# Altium PCB DC Battery Capacity Tester V1.2.PcbDoc (part 1 of 2) (continued)
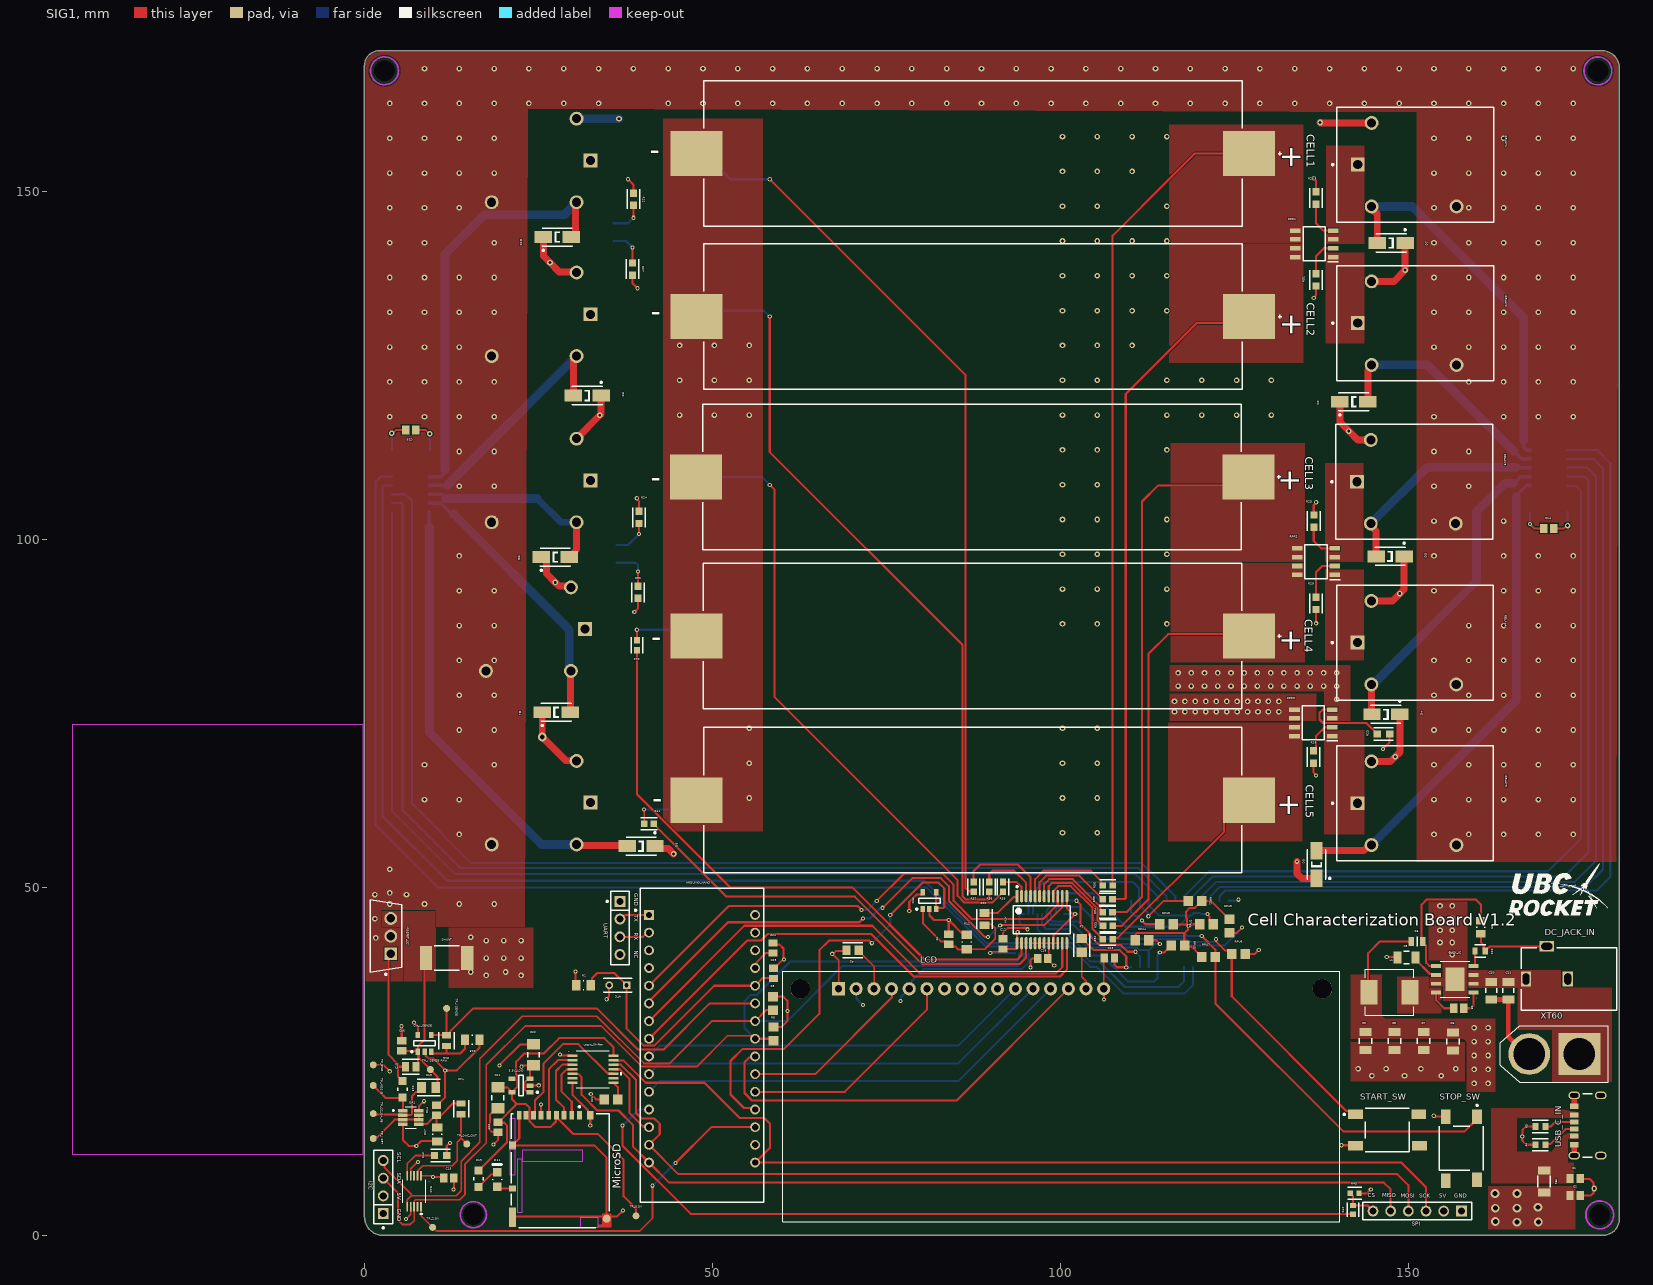
[diagram p0: SIG1 view]
## Part data (continued)
DAC: "True 12-bit, 1-ch, SPI/I2C, voltage-output DAC in WSON package with precision internal reference 10-VSSOP -40 to 125", Manufacturer_Name="Texas Instruments", Copyright="Copyright (C) 2025 Ultra Librarian. All rights reserved.", Manufacturer_Part_Number=DAC60501ZDGSR, RefDes=RefDes, Type=Type
DC_JACK_IN: library part CMP-2000-06901-1, "Through Hole Right Angle DC Power Jack, 5 A, 2.5 mm Center Pin, 3 Position, -25 to 85 degC, RoHS, Bulk", Current Rating=5A, Flammability Rating=UL94V-0, Insulation Resistance=100MOhms, Manufacturer=CUIInc., Operating Temperature Range=-25Cto+85C, Package Description="3-Pin Through Hole Device, Body 14.4 x 9 mm, Height 11 mm", Voltage Rating=24V, Brand=CUI, Connector Type=DCPowerJack, Contact Gender=Male, Contact Material=Copper, Contact Plating=Nickel, Datasheet URL=http://www.cui.com/product/resource/pj-102bh.pdf, Datasheet Version="Rev. 1.02, 05/2016", Factory Pack Quantity=280, Housing Material=PolybutyleneTerephthalate(PBT), Inside Contact Diameter=2.5mm, Manufacturer URL=http://www.cui.com/, Mounting Angle=Right, Mounting Style=ThroughHole, Mounting Technology=ThroughHole, Outside Contact Diameter=6.5mm, Package Reference=PJ-102BH, Product=Jacks, Product Category=DCPowerConnectors, RoHS=True, Termination Style=ThroughHole
FB1: library part CMP-0686-00732-3, "BLM31PG121SN1L Chip Ferrite Bead Array, 1206, 120Ω @ 100MHz, 0.02Ω, 25%, 3.5A", Case Code (Imperial)=1206, Case Code (Metric)=3216, Current Rating=3.5A, DC Current=3A, DC Resistance (DCR)=20mR, Frequency=100MHz, Max Operating Temperature=125°C, Min Operating Temperature=-55°C, Package Quantity=3000, Tolerance=25%, Case/Package=1206, Contact Plating=Tin, Core Material=Ferrite, Depth=1.6mm, Height=1.1mm, Impedance=120R, Lead Free="Lead Free", Length=3.2mm, Material=Steel, Max Current Rating=3.5A, Max DC Current=3A, Military Standard=Not, Number of Lines=1, Number of Pins=2, Packaging="Tape and Reel", Radiation Hardening=No, RoHS Compliant=Yes, Shielding=Unshielded, Termination=SMD/SMT, Test Frequency=100MHz, Width=1.6mm
I2C UART: library part CMP-02766-001388-1, "CONN HEADER VERT 4POS 2.54MM", Color=Black, Max Current Rating=7.6A, Max Operating Temperature=105°C, Max Voltage Rating (AC)=550V, Min Operating Temperature=-55°C, Package Quantity=1, Connector Type="Male Pin", Contact Material=Bronze, Contact Mating Length=0.23inch, Contact Plating=Tin, Contact Type="Male Pin", Depth=2.54mm, Gender=Male, Housing Color=Black, Housing Material=Polyester, Lead Free="Lead Free", Length=10.16mm, Mount="Through Hole", Number Of Contacts=4, Number of Positions=4, Number of Rows=1, Orientation=Straight, Packaging=Bulk, Pitch=2.54mm, Radiation Hardening=No, REACH SVHC="No SVHC", RoHS Compliant=Yes, Series=TSW, Termination=Solder, Width=2.54mm
I2C_EXPANDER: library part CMP-0314-00318-2, "Remote 16-Bit I2C and SMBus I/O Expander with Interrupt Output, 2.5 to 5.5 V, -40 to 85 degC, 24-pin TSSOP (PW), Green (RoHS & no Sb/Br)", Manufacturer="Texas Instruments", Max Frequency(kHz)=400, Voltage Nodes(V)="5.5, 3.6, 2.7, 2.5", # of I/Os=16, Code_JEDEC=MO-153, ComponentLink1Description=Datasheet, ComponentLink1URL=http://www.ti.com/general/docs/lit/getliterature.tsp?genericPartNumber=PCF8575&fileType=pdf, ComponentLink2Description="Package Specification", ComponentLink2URL=http://www.ti.com/litv/pdf/mpds177g, DatasheetVersion=SCPS121D, Eco-Plan="Green (RoHS & no Sb/Br)", fSCLK(Max)(MHz)=0.4, I2C Address="0100 xxx", Interrupt Output=Yes, Mounting Technology="Surface Mount", PackageDescription="24-Pin Thin Small Outline Package 0.65 mm Pitch", PackageReference=PW0024A, PackageVersion="revG, Feb-2011", PartNumber=PCF8575PWR, Push-Pull I/O Type=Yes, Reset Input=No, SubFamily="I2C IO Expander", Vcc range(V)="2.5 to 5.5", VCC(Max)(V)=5.5, VCC(Min)(V)=2.5
L1: library part CMP-006-00023-1, "6.8 ÂµH Shielded Molded Inductor 5 A 50mOhm Max Nonstandard", Case/Package=None, Availability="In Stock", Check_prices=https://www.snapeda.com/parts/MGAH06036R8M-10/Laird/view-part/?ref=eda, Component Type=Standard, Design Item ID=MGAH06036R8M-10, MF="Laird-Signal Integrity Products", MP=MGAH06036R8M-10, Pins=2, Price=None, Purchase-URL=https://pricing.snapeda.com/search/part/MGAH06036R8M-10/?ref=eda, SnapEDA_Link=https://www.snapeda.com/parts/MGAH06036R8M-10/Laird/view-part/?ref=snap, Source=MGAH06036R8M-10.SchLib
LCD: library part CMP-008-000000-1, "Display Development Tools 16x2 Black on Green Char LCD w Backlight", Package=None, Check_prices=https://www.snapeda.com/parts/LCD-16X2/Gravitech/view-part/?ref=eda, Component Type=Standard, Design Item ID=LCD-16X2, MF=Gravitech, MP=LCD-16X2, Pin Count=16, SnapEDA_Link=https://www.snapeda.com/parts/LCD-16X2/Gravitech/view-part/?ref=snap, Source=LCD-16X2.SchLib
LINE_DECODER: library part CMP-1633-00346-2, "CMOS 4-Bit Latch/4-to-16 Line Decoder with Output 'High' on Select, DW0024A, LARGE T&R", F @ Nom Voltage(Max)(Mhz)=8, Generic Part Number=CD4514B, ICC @ Nom Voltage(Max)(mA)=0.3, Manufacturer="Texas Instruments", Operating Temperature Range(C)="-55 to 125", Rating=Catalog, tpd @ Nom Voltage(Max)(ns)=370, Voltage(Nom)(V)=5,10,15, Bits(#)=16, Channels(#)=4, Code_JEDEC=MS-013, Configuration=4：16, DatasheetVersion=SCHS074A, Function=Decoder/Demultiplexer, Input Type=CMOS, Output Drive (IOL/IOH)(Max)(mA)=1.5/-1.5, Output Type=CMOS, PackageReference=DW0024A, Schmitt Trigger=No, Technology Family=CD4000, Type=Standard, VCC(Max)(V)=18, VCC(Min)(V)=3
Logic_Shifter: "Four-channel fixed multidirectional level shifter 14-TSSOP -40 to 125", Manufacturer_Name="Texas Instruments", Copyright="Copyright (C) 2025 Ultra Librarian. All rights reserved.", Manufacturer_Part_Number=TXU0304PWR, RefDes=RefDes, Type=Type
MicroSD: library part CMP-11597-000006-1, "CONN MICRO SD R/A PUSH-PUSH SMD", Color=Black, Contact Resistance=100mR, Current Rating=500mA, Flammability Rating="UL94 V-0", Insulation Resistance=1GR, Max Operating Temperature=85°C, Max Voltage Rating (AC)=125V, Min Operating Temperature=-25°C, Package Quantity=400, Connector Type=Connector, Contact Material="Copper Alloy", Contact Plating=Gold, Depth=15.95mm, Gender=Receptacle, Housing Material=Polymer, Lead Free="Lead Free", Length=13.85mm, Mating Cycles=10000, Max Current Rating=500mA, Mount="Surface Mount", Number Of Contacts=8, Number of Rows=2, Orientation="Right Angle", Packaging="Tape and Reel", Pitch=1.1mm, Radiation Hardening=No, REACH SVHC="No SVHC", Series=DM3, Termination=Solder, Voltage Rating=125V, Voltage Rating (AC)=125V, Width=13.85mm
MOSFET_CC: library part CMP-32901-000488-1, "MOSFET N-CH 55V 47A TO220AB", Case/Package=TO-220, Continuous Drain Current (ID)=47A, Drain To Source Breakdown Voltage=55V, Drain To Source Resistance=35mR, Gate to Source Voltage (Vgs)=16V, Input Capacitance=1.7nF, Max Operating Temperature=175°C, Max Power Dissipation=110W, Min Operating Temperature=-55°C, Threshold Voltage=2V, Drain to Source Voltage (Vdss)=55V, Element Configuration=Single, Halogen Free="Halogen Free", Height=0.6inch, Lead Free="Lead Free", Length=0.414inch, Max Dual Supply Voltage=55V, Mount="Through Hole", Number of Pins=3, Packaging=Rail/Tube, Power Dissipation=110W, Rds On Max=22mR, REACH SVHC="No SVHC", RoHS Compliant=Yes, Turn-Off Delay Time=26ns, Turn-On Delay Time=11ns, Width=0.185inch
MUX: library part CMP-04892-000038-1, "IC MUX/DEMUX 1X16 24SSOP", Case/Package=SSOP, High Level Output Current=25mA, Max Operating Temperature=125°C, Max Supply Current=8uA, Max Supply Voltage=6V, Min Operating Temperature=-55°C, Min Supply Voltage=2V, On-State Resistance=160R, Package Quantity=2000, Bandwidth=89MHz, Contact Plating=Gold, Height=1.95mm, Lead Free="Lead Free", Length=8.2mm, Logic Function=Multiplexer, Low Level Output Current=25mA, Max Output Current=25mA, Mount="Surface Mount", Number of Bits=16, Number Of Channels=1, Number of Circuits=16, Number of Inputs=16, Number Of Outputs=1, Number of Pins=24, Operating Supply Current=8uA, Packaging="Tape and Reel", Polarity=Non-Inverting, Propagation Delay=75ns, Radiation Hardening=No, REACH SVHC="No SVHC", Series=74HC, Supply Type=Single, Termination=SMD/SMT, Turn-Off Delay Time=290ns, Turn-On Delay Time=300ns, Weight=0.006081oz, Width=5.3mm
NTC: library part CMP-06022-001050-1, "Thermistor NTC 10kΩ ±1% 2-Pin Radial Bulk", Max Operating Temperature=125°C, Max Power Dissipation=7.5mW, Min Operating Temperature=-40°C, Package Quantity=500, Resistance=10kR, Resistance Tolerance=1%, Height=2mm, Lead Diameter=0.4mm, Lead Free="Lead Free", Lead Pitch=2.5mm, Length=5mm, Mount="Through Hole", Number of Pins=2, Packaging=Bulk, Power Rating=7.5mW, RoHS Compliant=Yes, Series=NXR, Termination=Radial, Tolerance=1%, Width=4mm
OA1: library part CMP-014-00004-1, "Dual, 16V, 11MHz, rail-to-rail input and output low-offset-voltage low-noise operational amplifier", Case/Package="SOT-23-THN-8 Texas Instruments", Check_prices=https://www.snapeda.com/parts/TLV9162IDDFR/Texas+Instruments/view-part/?ref=eda, Component Type=Standard, Design Item ID=TLV9162IDDFR, MF="Texas Instruments", MP=TLV9162IDDFR, Pins=8, SnapEDA_Link=https://www.snapeda.com/parts/TLV9162IDDFR/Texas+Instruments/view-part/?ref=snap, Source=TLV9162IDDFR.SchLib
OA2 OA_I_SENSE: library part CMP-0187-00480-3, "None", Case/Package=SOT-23, Input Bias Current=1pA, Input Offset Voltage (Vos)=4.5mV, Max Operating Temperature=125°C, Max Supply Voltage=6V, Min Operating Temperature=-40°C, Min Supply Voltage=1.8V, Nominal Supply Current=100uA, Operating Supply Voltage=5.5V, Output Current=23mA, Package Quantity=3000, Power Supply Rejection Ratio (PSRR)=86dB, Voltage Gain=112dB, Amplifier Type="GENERAL PURPOSE", Bandwidth=1MHz, Common Mode Rejection Ratio=60dB, Gain Bandwidth Product=1MHz, Height=1.3mm, Input Offset Voltage-Max=4.5mV, Lead Free="Lead Free", Length=3.1mm, Mount="Surface Mount", Number of Amplifiers=1, Number Of Channels=1, Number of Circuits=1, Number of Elements=1, Number of Pins=5, Packaging="Tape and Reel", Radiation Hardening=No, REACH SVHC="No SVHC", RoHS Compliant=Yes, Slew Rate=0.6V/µs, Slew Rate-Nom=0.6V/µs, Supply Current=100uA, Technology=CMOS, Unity Gain Bandwidth Product=1MHz, Width=1.8mm
R1 R11: library part CMP-009-00018-5, "Chip Resistor, 10 KOhm, +/- 1%, 125 mW, -55 to 155 degC, 0805 (2012 Metric)", Case/Package=0805, Max Operating Temperature=155°C, Min Operating Temperature=-55°C, Power=125mW, Tolerance=1%, Voltage Rating=150V, Mounting Technology=SM, Pins=2, RoHS Compliant=True
R2: library part CMP-26527-005916-1, "1.3kΩ ±5% 0.125W 0805 Thick Film Chip Resistor AEC-Q200 compliant", Case Code (Imperial)=0805, Case Code (Metric)=2012, Max Operating Temperature=155°C, Max Power Dissipation=125mW, Min Operating Temperature=-55°C, Package Quantity=5000, Resistance=1.3kR, Resistor Type="Thick Film", Temperature Coefficient=200ppm/°C, Tolerance=5%, Case/Package=0805, Construction=Rectangular, Contact Plating=Tin, Depth=1.25mm, Features="Automotive AEC-Q200", Height=0.026inch, Length=0.079inch, Military Standard=Not, Mount="Surface Mount", Number of Terminations=2, Packaging="Tape and Reel", Radiation Hardening=No, RoHS Compliant=Yes, Series=RMCF, Width=0.049inch
R3 R4: library part CMP-02407-010205-1, "MCT06030D5101BP500 RES SMD 5100 OHM 1% 1/8W 0603", Case/Package=0603, Max Operating Temperature=125°C, Min Operating Temperature=-55°C, Resistance=5.1kR, Temperature Coefficient=25ppm/°C, Tolerance=0.1%, Composition="Thin Film", Contact Plating=Tin, Height=450um, Lead Free="Lead Free", Length=1.55mm, Radiation Hardening=No, Width=850um
R5 R8 R21 RPU1 RPU2 RPU3 RPU4 RPU5 RPU6 RPU7 RPU8: library part CMP-009-00032-5, "Chip Resistor, 4.7 KOhm, +/- 1%, 0.125 W, -55 to 155 degC, 0805 (2012 Metric)", Case/Package=0805, Max Operating Temperature=155°C, Min Operating Temperature=-55°C, Power=125mW, Tolerance=1%, Voltage Rating=150V, Mounting Technology=SM, Pins=2, RoHS Compliant=True
R6: library part CMP-02407-010835-1, "MCU08050C4302FP500 RES 1.05K OHM 0.5% 1/5W 0805", Case/Package=0805, Resistance=43000R, Tolerance=1%, Height=450um, Lead Free="Lead Free", Length=2mm, Width=1.25mm
R7: library part CMP-26527-006932-1, "220Ω ±5% 0.125W 0805 Thick Film Chip Resistor AEC-Q200 compliant", Case Code (Imperial)=0805, Case Code (Metric)=2012, Max Operating Temperature=155°C, Max Power Dissipation=125mW, Min Operating Temperature=-55°C, Resistance=220R, Resistor Type="Thick Film", Temperature Coefficient=200ppm/°C, Tolerance=5%, Case/Package=0805, Construction=Rectangular, Contact Plating=Tin, Depth=1.25mm, Features="Automotive AEC-Q200", Height=0.026inch, Lead Free="Lead Free", Length=0.079inch, Military Standard=Not, Mount="Surface Mount", Number of Terminations=2, Packaging="Tape and Reel", Radiation Hardening=No, RoHS Compliant=Yes, Series=RMCF, Width=0.049inch
R9: library part CMP-1013-00613-1, "8K2 0.125W 1% 0805 (2012 Metric)  SMD", Case-EIA=0805, Case-Metric=2012, Power="0.125 W", Tolerance="1 %", Technology=SMT
R10: library part CMP-02407-001990-1, "CRCW08057K50FKEAHP RES Thick Film, 7.5kΩ, 1%, 0.5W, 100ppm/°C, 0805", Case/Package=0805, Max Operating Temperature=155°C, Max Power Dissipation=500mW, Min Operating Temperature=-55°C, Package Quantity=5000, Resistance=7.5kR, Temperature Coefficient=100ppm/°C, Tolerance=1%, Composition="Thick Film", Contact Plating=Tin, Depth=1.25mm, Features="Automotive AEC-Q200", Height=0.024inch, Lead Free="Lead Free", Length=0.079inch, Military Standard=Not, Number of Terminations=2, Packaging="Tape and Reel", Width=0.049inch
R12 R22 R23 R24 R25 R26 R27 R28 R29 R30 R31: library part CMP-03412-040683-1, "RES 10kΩ 5.00% 0.2W 0603"
R13 R19: library part CMP-07231-003646-1, "CR0805-FX-3000ELF Thick Film Chip Resistors 0805 300Ω 0.125W 1% 100ppm/°C", Case Code (Imperial)=0805, Case Code (Metric)=2012, Max Operating Temperature=155°C, Max Power Dissipation=125mW, Min Operating Temperature=-55°C, Package Quantity=1, Resistance=300R, Temperature Coefficient=100ppm/°C, Tolerance=1%, Voltage Rating=150V, Case/Package=0805, Composition="Thick Film", Contact Plating=Tin, Depth=1.25mm, Features="Moisture Resistant", Height=0.024inch, Length=2mm, Military Standard=Not, Mount="Surface Mount", Number of Terminations=2, Packaging="Tape and Reel", Power Rating=125mW, Radiation Hardening=No, Termination=SMD/SMT, Thickness=508um, Width=1.25mm
R14 R16: library part CMP-03211-002159-1, "CRGP0805F18K CRGP0805 18KΩ 0.33W ±100ppm/°C 1% 150V", Ambient Temperature Range High=+70°C, Manufacturer=TE, Manufacturer Part Number=CRGP0805F18K, Package=CRGP0805, Power Rating=0.33W, Resistance=18KΩ, Temperature="-55°C to +155°C", Temperature Coefficient=±100ppm/°C, Temperature Range High=+155°C, Temperature Range Low=-55°C, Tolerance=0.01, Voltage Rating=150V, Automotive=No, Category=Res, ComponentLink2Description=Datasheet, ComponentLink2URL=https://www.mouser.com/datasheet/2/418/NG_DS_9-1773463-9_A-1358566.pdf, Composition="Thick Film", Device Class L1="Passive Components", Device Class L2=Resistors, Device Class L3="Chip SMD Resistors", Height=0.65mm, Ipc Land Pattern Name=RESC200125X55, Lead Free=Yes, Octopart=https://octopart.com/crgp0805f18k-te+connectivity-91018794, RoHS=TRUE, Series=CRGP
R15: library part CMP-04015-026717-1, "RN73R2ATTD1001B10 1kΩ ±0.1% 0.125W, 1/8W Chip Resistor 0805 (2012 Metric) Moisture Resistant Thin Film"
R17 R18: library part CMP-02407-000077-1, "MCU08050D2001BP500 RES 1.05K OHM 0.5% 1/5W 0805", Case/Package=0805, Max Operating Temperature=125°C, Max Power Dissipation=125mW, Min Operating Temperature=-55°C, Package Quantity=5000, Resistance=2kR, Temperature Coefficient=25ppm/°C, Tolerance=0.1%, Composition="Thin Film", Contact Plating=Tin, Depth=1.25mm, Height=0.022inch, Lead Free="Lead Free", Length=0.079inch, Military Standard=Not, Number of Terminations=2, Packaging="Tape and Reel", Radiation Hardening=No, Width=0.049inch
R20: library part CMP-02407-007717-1, "RES Thick Film, 200kΩ, 1%, 0.33W, 100ppm/°C, 0603", Case/Package=0603, Max Operating Temperature=155°C, Max Power Dissipation=250mW, Min Operating Temperature=-55°C, Package Quantity=5000, Resistance=200kR, Temperature Coefficient=100ppm/°C, Tolerance=1%, Composition="Thick Film", Depth=0.85mm, Features="Automotive AEC-Q200", Height=0.022inch, Lead Free="Lead Free", Length=0.063inch, Military Standard=Not, Number of Terminations=2, Packaging="Tape and Reel", Width=0.033inch
R32 R33 R34 R35 R36 R37 R38 R39 R40 R41: library part CMP-250906-173560-1, "TFCR0603-10W-E-2001BT"
R42: library part CMP-03211-000516-1, "CRGCQ0603F1K2", Ambient Temperature Range High=+70°C, Manufacturer="TE Connectivity", Package=CRGCQ0603, Power Rating=0.1W, Resistance=1.2KΩ, Temperature="-55°C to +155°C", Temperature Coefficient=±100ppm/°C, Temperature Range High=+155°C, Temperature Range Low=-55°C, Tolerance=0.01, Voltage Rating=75V, Category=Res, ComponentLink2Description=Datasheet, ComponentLink2URL=https://www.te.com/commerce/DocumentDelivery/DDEController?Action=showdoc&DocId=Data+Sheet%7F1773204-3%7F1%7Fpdf%7FEnglish%7FENG_DS_1773204-3_1.pdf%7F4-2176339-710, Composition="Thick Film", Device Class L1="Passive Components", Device Class L2=Resistors, Device Class L3="Chip SMD Resistors", Digikey Description="CRGCQ 0603 1K2 1%", Height=0.55mm, Ipc Land Pattern Name=RESC16080X45, Lead Free=Yes, Manufacturer Part Number=CRGCQ0603F1K2, Octopart=https://octopart.com/crgcq0603f1k2-te+connectivity-91018051, RoHS=TRUE, Series=CRGCQ
R43: library part CMP-03211-010325-1, "CRGCQ0603F2K2", Ambient Temperature Range High=+70°C, Manufacturer="TE Connectivity", Package=CRGCQ0603, Power Rating=0.1W, Resistance=2.2KΩ, Temperature="-55°C to +155°C", Temperature Coefficient=±100ppm/°C, Temperature Range High=+155°C, Temperature Range Low=-55°C, Tolerance=0.01, Voltage Rating=75V, Category=Res, ComponentLink2Description=Datasheet, ComponentLink2URL=https://www.te.com/commerce/DocumentDelivery/DDEController?Action=showdoc&DocId=Data+Sheet%7F1773204-3%7F1%7Fpdf%7FEnglish%7FENG_DS_1773204-3_1.pdf%7F4-2176339-766, Composition="Thick Film", Device Class L1="Passive Components", Device Class L2=Resistors, Device Class L3="Chip SMD Resistors", Digikey Description="CRGCQ 0603 2K2 1%", Height=0.55mm, Ipc Land Pattern Name=RESC16080X45, Lead Free=Yes, Manufacturer Part Number=CRGCQ0603F2K2, Octopart=https://octopart.com/crgcq0603f2k2-te+connectivity-91018063, RoHS=TRUE, Series=CRGCQ
RELAY1 RELAY2 RELAY3 RELAY4 RELAY5 RELAY6 RELAY7 RELAY8 RELAY9 RELAY10: library part CMP-08822-000152-1, "RELAY GEN PURPOSE SPST 10A 5V", Coil Current=79.4mA, Coil Power=400mW, Coil Resistance=63R, Coil Voltage (DC)=5V, Contact Current Rating=10A, Max Operating Temperature=85°C, Max Voltage Rating (AC)=250V, Max Voltage Rating (DC)=125V, Min Operating Temperature=-40°C, Package Quantity=500, Coil Type=Non-Latching, Contact Material=Tin, Height=19mm, Lead Free="Lead Free", Length=22.5mm, Max Current Rating=10A, Mount="Through Hole", Number of Pins=4, Operate Time=10ms, Packaging=Tray, Power Consumption=400mW, Power Rating=400mW, Relay Type="General Purpose", Release Time=5ms, RoHS Compliant=Yes, Termination=Solder, Throw Configuration=SPST, Weight=12g, Width=16.5mm
RELAY_DRIVER_1 RELAY_DRIVER_2: library part CMP-04912-000075-1, "MOSFET 7CH 16SOIC", Case/Package=SOIC, Collector Emitter Saturation Voltage=750mV, Collector Emitter Voltage (VCEO)=20V, Max Collector Current=140mA, Max Operating Temperature=85°C, Max Power Dissipation=860mW, Min Operating Temperature=-40°C, Output Voltage=16V, Package Quantity=1, Height=1.5mm, Lead Free="Lead Free", Length=10mm, Mount="Surface Mount", Number of Drivers=7, Number Of Outputs=7, Number of Pins=16, Output Current=140mA, Packaging="Tape and Reel", Power Dissipation=860mW, Radiation Hardening=No, REACH SVHC="No SVHC", RoHS Compliant=Yes, Series=-, Weight=0.004998oz, Width=4mm
RPR1 RPR2 RPR3 RPR4 RPR5: "Integrated Circuit", Manufacturer_Name=MCC, Datasheet Link=https://www.mccsemi.com/pdf/Products/MCQ7328(SOP-8).pdf, Height=1.75mm, Manufacturer_Part_Number=MCQ7328-TP
SHUNT: library part CMP-07231-007405-1, "RES 0.05 OHM 1% 3W 2512"
SPI: library part CMP-1024-00383-1, "0.025\" SQ Post Header, Through-hole, Vertical, -55 to 125 degC, 2.54 mm Pitch, 6-Pin, Male, RoHS", Manufacturer=Samtec, Temperature Range="-55 to 125 degC", ComponentLink1Description="Manufacturer URL", ComponentLink1URL=http://www.samtec.com, ComponentLink2Description=Datasheet, ComponentLink2URL=http://www.samtec.com/documents/webfiles/pdf/TSW_TH.PDF, ComponentLink3Description="Package Specification", ComponentLink3URL=http://www.samtec.com/documents/webfiles/cpdf/TSW-XXX-XX-XXX-X-XX-XXX-MKT.pdf, DatasheetVersion=F-214, Mounting Technology=Through-hole, Orientation=Vertical, PackageDescription=".025[0.64] SQ. Post Terminal Strip Assembly", PackageReference=TSW-106-07-X-S, PackageVersion="DM, 8/1988", PartNumber=TSW-106-07-G-S, Pitch="2.54 mm", RoHS=True
START_SW STOP_SW: library part CMP-03407-000026-1, "SWITCH TACTILE SPST-NO 0.05A 24V", RoHS Compliant=Yes
USB_C_IN: library part CMP-245163-000004-1, "CONN RCPT TYPE C 6P SMD RA"
XT60: library part CMP-002-00073-1, "Plug; DC supply; XT60; male; PIN: 2; for cable; soldered; 30A; 500V", Case/Package=Package, Check_prices=https://www.snapeda.com/parts/XT60-M/AMASS/view-part/?ref=eda, Component Type=Standard, Design Item ID=XT60-M, MF=AMASS, MP=XT60-M, Pins=2, SnapEDA_Link=https://www.snapeda.com/parts/XT60-M/AMASS/view-part/?ref=snap, Source=XT60-M.SchLib

## Free pads (board coordinates)
  round 1.524 hole 3 unplated: 1(2.87,167.28) 1(15.638,2.962) 1(177.165,167.261) 1(177.438,2.932)
  round 1 smd: GND(1.257,24.482) TP_2.5V(9.782,1.139) TP_3.3V(14.692,13.118) TP_3.3V(38.999,2.794) TP_CC_OA_FB(1.257,17.478) "TP_I SENSE"(11.794,32.605) "TP_I SENSE RAW"(9.453,23.81) "TP_I SET"(1.257,13.9) "TP_MOS G"(1.257,21.51)

## Via types
v1: diameter 0.8, hole 0.4, SIG1 to SIG2, 396 vias
v2: diameter 0.6, hole 0.3, SIG1 to SIG2, 87 vias
v3: diameter 1.27, hole 0.711, SIG1 to SIG2, 9 vias

## Nets (pads, with @x,y where several pads share a name; then routed paths per layer and width w, separated by ;. In a path a pad name is that pad's centre, name@x,y a point inside that pad or via, vN(x,y) a via of type N, cw(c..) or ccw(c..) an arc to the next point about the centre after c; other vN are vias at no path point)
"2.5V REF": ARDUINO_NANO.18 DAC.10 pad.TP_2.5V | length 59.1
  SIG1 w0.25: DAC.10@8.142,4.109 8.142,2.779 10.311,0.61 39.532,0.61 41.369,2.447 v2(41.369,7.125)
  SIG1 w0.3: v2(44.679,10.389) 49.822,15.532 ARDUINO_NANO.18@56.109,15.532
  SIG2 w0.3: v2(41.369,7.125) 41.392,7.125 44.655,10.389 v2(44.679,10.389)
3.3V: 3.3V_LDO.5 C20.2 C21.2 Logic_Shifter.14 MicroSD.4 pad.TP_3.3V@38.999,2.794 R19.2 | length 70.3
  SIG1 w0.3: R19.2@16.4,9.304 20.498,13.402 20.498,15.763 20.088,16.172 19.249,16.172 C20.2@19.164,16.257 ; C21.2@19.164,21.249 20.498,21.249 20.837,20.91 20.837,20.74 21.017,20.56 3.3V_LDO.5@21.187,20.56 ; C20.2@19.289,16.257 21.69,18.659 21.69,19.025 ; MicroSD.4@27.511,17.162 MicroSD.4@27.511,17.039 ; Logic_Shifter.14@35.765,25.809 35.765,27.006 34.44,28.332 27.975,28.332 25.751,26.107 22.947,26.107 21.775,24.935 21.775,23.112 21.977,22.91 21.977,21.35 21.537,20.91 21.537,20.74 21.357,20.56 3.3V_LDO.5@21.187,20.56 ; pad.TP_3.3V@38.999,2.794 38.999,3.82 37.228,5.59 37.228,10.861 33.555,14.535 30.015,14.535 MicroSD.4@27.511,17.039 ; 3.3V_LDO.5@21.187,20.56 21.187,19.528 21.69,19.025 ; 21.69,19.025 21.858,18.858 23.167,18.858 23.722,18.302 23.722,16.364 24.555,15.532 26.693,15.532 27.511,16.351 MicroSD.4@27.511,17.039
5V: 3.3V_LDO.1 3.3V_LDO.3 ARDUINO_NANO.27 C2.2 C6.1 C7.1 C8.1 C9.1 C12.2 C14.1 C15.1 C18.2 C19.2 C22.2 C23.1 C24.2 D1.2 D2.2 D3.2 D4.2 D5.2 D6.2 D7.2 D8.2 D9.2 D10.2 DAC.1 FB1.1 I2C.2 I2C_EXPANDER.24 L1.2 LCD.2 LINE_DECODER.24 Logic_Shifter.1 MUX.24 OA1.8 OA2.5 OA_I_SENSE.5 R1.2 R5.2 R6.2 R7.1 R8.2 R12.1 R21.2 RELAY1.5 RELAY2.5 RELAY3.5 RELAY4.5 RELAY5.5 RELAY6.5 RELAY7.5 RELAY8.5 RELAY9.5 RELAY10.5 RELAY_DRIVER_1.9 RELAY_DRIVER_2.9 RPU1.2 RPU2.2 RPU3.2 RPU4.2 RPU5.2 RPU6.2 RPU7.2 RPU8.1 SPI.2 | length 215.3
  SIG1 w0.25: DAC.1@8.142,8.541 9.607,8.541 9.782,8.367 v2(9.836,8.367) 11.338,8.367 C15.1@11.338,8.217 ; v2(89.889,40.573) 89.957,40.573 90.112,40.728 91.312,40.728 C12.2@91.712,41.128
  SIG1 w0.3: v2(7.118,30.582) 7.675,30.024 OA_I_SENSE.5@7.675,28.782 ; C19.2@7.354,115.697 8.745,115.697 9.312,115.13 v1(9.379,115.13) ; OA1.8@7.808,17.92 7.808,18.535 v2(8.539,19.266) ; R12.1@11.811,11.453 11.811,12.849 12.221,13.258 v2(12.263,13.258) ; v2(22.575,24.21) 22.629,24.21 22.828,24.409 C22.2@24.253,24.409 ; 3.3V_LDO.1@23.787,20.56 23.607,20.74 23.173,20.74 22.997,20.915 22.997,21.96 23.317,22.28 23.607,22.28 3.3V_LDO.3@23.787,22.46 23.787,23.944 C22.2@24.253,24.409 ; C22.2@24.275,24.432 C22.2@24.253,24.409 ; v2(28.1,25.962) 28.154,25.962 28.307,25.809 Logic_Shifter.1@29.865,25.809 ; v2(30.313,37.892) 30.313,36.031 R1.2@30.422,35.922 ; v2(32.51,20.286) 33.268,19.528 R21.2@33.814,19.528 ; ARDUINO_NANO.27@56.109,38.392 56.322,38.605 56.322,39.213 57.657,40.548 C24.2@58.701,40.548 ; R8.2@58.701,34.287 60.159,34.287 60.739,33.708 v2(60.739,32.212) 60.739,30.772 59.881,29.914 R5.2@58.721,29.914 ; v2(78.246,46.591) 78.246,47.868 79.336,48.958 80.028,48.958 80.203,49.133 OA2.5@80.203,49.258 ; C12.2@91.712,41.128 93.542,41.128 93.732,41.318 MUX.24@93.732,41.956 93.732,43.415 93.826,43.509 v2(93.826,43.564) ; v2(95.682,38.456) 95.682,39.562 95.858,39.738 C18.2@96.679,39.738 ; R7.1@103.022,42.629 103.036,42.616 103.089,42.616 104.743,40.962 108.498,40.962 109.417,40.043 v2(109.417,38.452) 109.36,38.509 108.1,38.509 107.725,38.885 C23.1@107.725,39.84 ; RPU4.2@110.699,42.154 RPU4.2@110.699,42.378 110.74,42.419 110.74,43.153 111.015,43.429 117.749,43.429 117.749,41.748 RPU3.2@117.844,41.653 118.017,41.481 118.793,41.481 119.699,40.575 119.749,40.575 120.274,40.05 RPU7.2@120.274,40 ; RPU8.1@116.204,44.669 118.128,44.669 ; 117.844,43.456 118.311,43.923 118.311,44.41 v2(118.349,44.448) ; RPU2.2@119.974,44.679 118.634,44.679 118.403,44.448 v2(118.349,44.448) ; RPU5.2@124.257,45.39 124.207,45.39 121.553,48.044 RPU1.2@120.274,48.044 120.274,47.994 119.749,47.469 119.699,47.469 119.259,47.029 118.559,47.029 118.014,46.484 118.014,45.633 118.128,45.519 118.128,44.669 ; RPU6.2@126.527,40.403 127.856,40.403 v2(128.448,40.996) ; L1.2@144.156,34.869 144.156,40.533 145.823,42.2 R6.2@150.369,42.2 R6.2@150.471,42.2 ; v2(167.421,102.159) 168.045,101.535 C14.1@169.396,101.535 ; 118.128,44.669 v2(118.349,44.448)
  SIG1 w1: D8.2@25.404,97.415 25.768,97.415 26.118,97.065 26.118,95.065 v1(27.404,93.778) 27.92,93.263 29.455,93.263 RELAY7.5@29.646,93.071 ; D7.2@25.534,75.133 v3(25.534,71.596) 28.961,68.168 30.447,68.168 RELAY6.5@30.472,68.143 ; D10.2@25.686,143.383 25.686,140.684 v1(26.645,139.725) 27.972,138.398 30.371,138.398 RELAY9.5@30.472,138.298 ; RELAY8.5@30.472,114.423 33.782,117.733 v1(33.782,117.78) 34.004,118.002 D9.2@34.004,120.625 ; D6.2@41.726,55.905 42.076,55.555 43.632,55.555 v1(44.399,54.788) ; v2(133.965,53.67) 133.965,51.936 134.637,51.264 D5.2@136.754,51.264 ; v1(137.262,159.842) 137.316,159.788 RELAY1.5@144.673,159.788 ; D2.2@140.113,119.736 140.113,116.802 v1(141.393,115.522) 142.673,114.242 RELAY3.5@144.546,114.242 ; RELAY4.5@144.623,91.132 147.672,91.132 v1(148.714,92.174) 149.325,92.785 D3.2@149.325,97.522 ; RELAY5.5@144.648,68.061 147.385,68.061 v1(148.049,68.725) 148.714,69.39 D4.2@148.714,74.836 ; RELAY2.5@144.673,137.03 147.86,137.03 v1(149.472,138.642) D1.2@149.472,142.545
  PWR w0.254: v2(89.889,40.573) 93.565,40.573 v2(95.682,38.456)
  SIG2 w0.3: RELAY_DRIVER_2.9@9.329,112.801 9.379,112.851 v1(9.379,115.13) ; LCD.2@70.667,35.414 70.667,34.003 v2(71.607,33.064) ; v2(89.889,40.573) 93.357,40.573 93.407,40.523 I2C_EXPANDER.24@93.407,40.458 ; v2(109.417,38.452) 110.002,38.452 LINE_DECODER.24@110.109,38.558 ; v2(167.421,102.159) RELAY_DRIVER_1.9@167.421,103.911
  SIG2 w1.25: RELAY10.5@30.472,160.392 v1(36.553,160.392)
  other v1: 159.392,21.825 161.392,21.825 159.392,23.825 161.392,23.825 159.392,25.825 161.392,25.825 159.392,27.825 161.392,27.825 159.392,29.825 161.392,29.825
  other v3: 165.532,1.883 168.612,1.914 162.432,1.985 162.432,3.891 165.532,3.891 168.589,4.028 162.41,5.993 165.532,5.993
CC_OA_FB: OA1.2 pad.TP_CC_OA_FB R15.1 | length 10.3
  SIG1 w0.3: pad.TP_CC_OA_FB@1.257,17.478 1.371,17.365 5.413,17.365 OA1.2@5.508,17.27 6.643,17.27 6.833,17.46 6.833,20.017 7.375,20.56 7.551,20.56 8.173,21.182 R15.1@8.173,21.358
CELL1: RELAY1.1 RPR1.3
CELL2: RELAY2.1 RPR1.1
CELL3: RELAY3.1 RPR2.3
CELL4: RELAY4.1 RPR2.1
CELL5: RELAY5.1 RPR3.1
CELL6: RELAY6.1 RPR3.3
  other v1: 139.665,76.986 116.865,78.886 118.765,78.886 120.665,78.886 122.565,78.886 124.465,78.886 126.365,78.886 128.265,78.886 130.165,78.886 132.065,78.886 133.965,78.886 135.865,78.886 137.765,78.886 139.665,78.886 116.865,80.786 118.765,80.786 120.665,80.786 122.565,80.786 124.465,80.786 126.365,80.786 128.265,80.786 130.165,80.786 132.065,80.786 133.965,80.786 135.865,80.786 137.765,80.786 139.665,80.786
CELL7: RELAY7.1 RPR4.1
CELL8: RELAY8.1 RPR4.3
CELL9: RELAY9.1 RPR5.1
CELL10: RELAY10.1 RPR5.3